# KiCad board F02-Func-Decoder-p.kicad_pcb (continued)
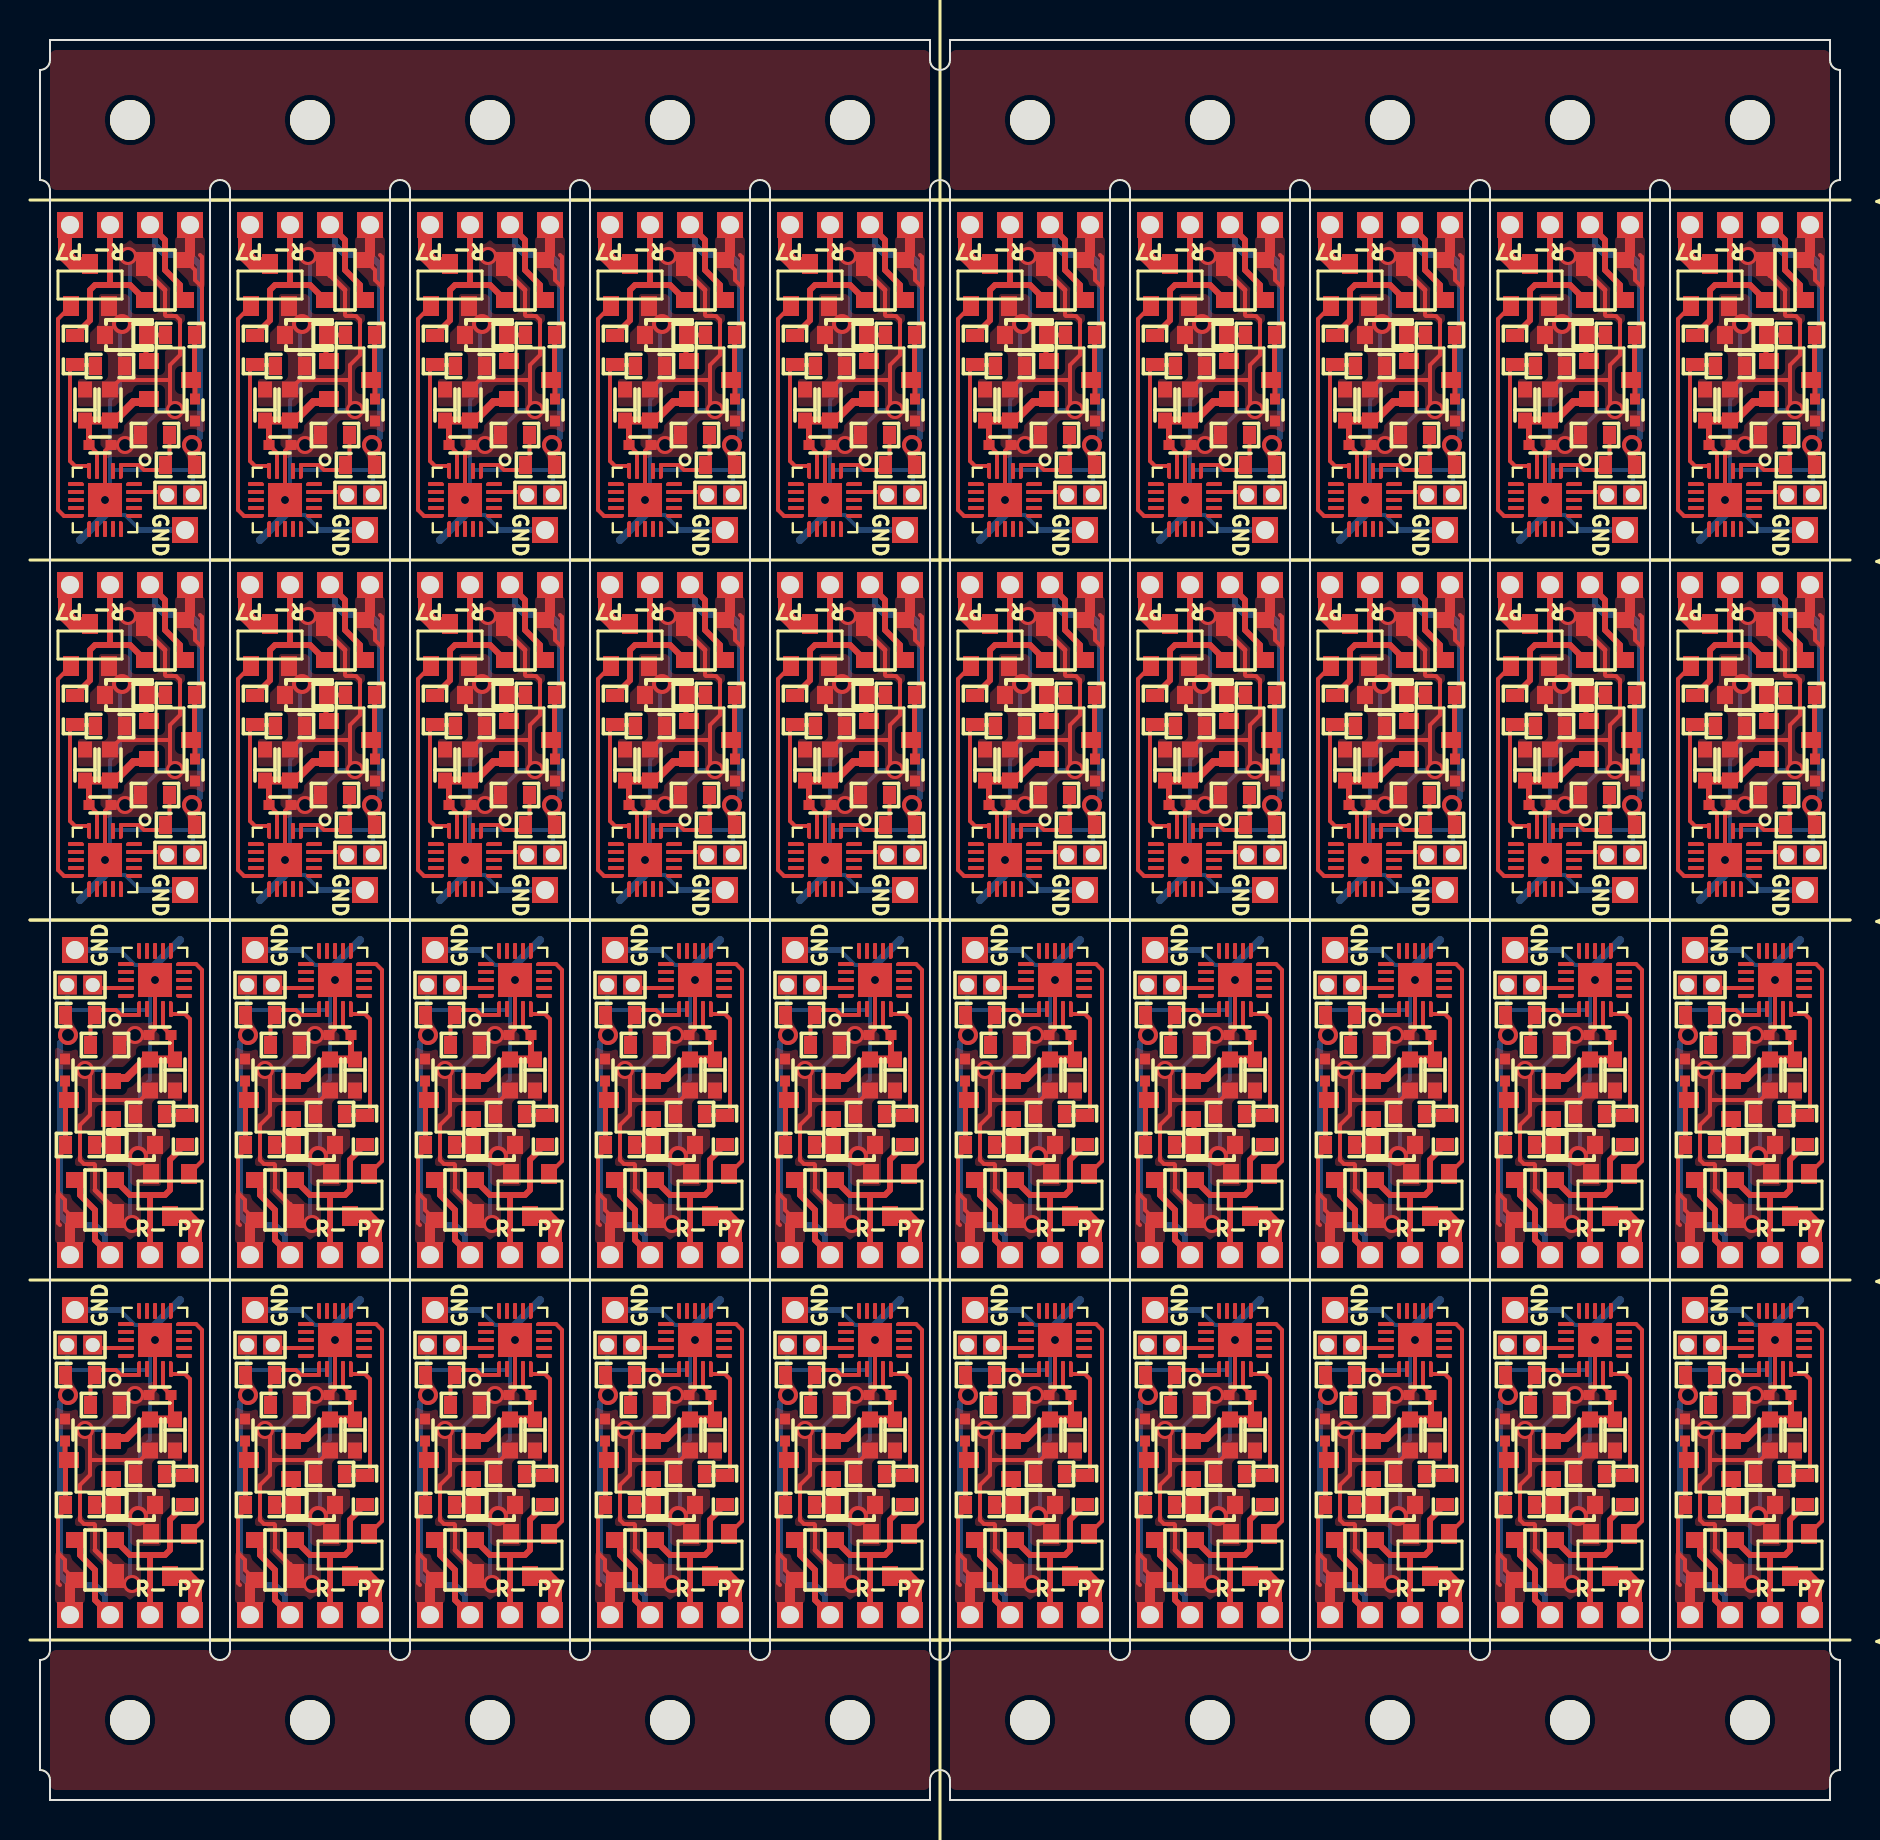
[diagram p0: board, top side]
## Routing (per net, layer and track width the routed paths; a pad name or vN(x,y) marks a point on that pad's centre or on a via; arc(x,y) is an arc through that point) (continued)
  Top w0.2: 74.75,12.5 74.75,13.75 74.7,13.8 74.2,13.8 74,14 74,15.75 74.5,16.25 74.5,17 ; v1(77.75,41) U1#17.3 77.75,38.55 C1#40.2 76.47,38.25 R3#8.2 ; C3#34.2 77.03,35 74.5,35 ; 60.5,53 60.5,51.75 v3(60.75,51.5) ; 60.5,53 60.5,53.75 61,54.25 61,56 60.8,56.2 60.3,56.2 60.25,56.25 60.25,57.5 ; 60.5,53 57.97,53 C3#4.2 ; 87.5,71 87.5,71.75 88,72.25 88,74 87.8,74.2 87.3,74.2 87.25,74.25 87.25,75.5 ; 87.5,71 87.5,69.75 v3(87.75,69.5) ; 87.5,71 84.97,71 C3#18.2 ; v3(33.75,51.5) 33.5,51.75 33.5,53 ; 20.75,30.5 20.75,31.75 20.7,31.8 20.2,31.8 20,32 20,33.75 20.5,34.25 20.5,35 ; C3#16.2 75.97,71 78.5,71 ; 78.5,53 75.97,53 C3#33.2 ; 78.5,53 78.5,53.75 79,54.25 79,56 78.8,56.2 78.3,56.2 78.25,56.25 78.25,57.5 ; 78.5,53 78.5,51.75 v3(78.75,51.5) ; C3#13.2 3.97,71 6.5,71 ; v3(38.25,18.5) 38.5,18.25 38.5,17 ; 24.25,75.5 24.25,74.25 24.3,74.2 24.8,74.2 25,74 25,72.25 24.5,71.75 24.5,71 ; 38.75,30.5 38.75,31.75 38.7,31.8 38.2,31.8 38,32 38,33.75 38.5,34.25 38.5,35 ; R3#4.2 22.47,38.25 C1#6.2 23.75,38.55 U1#22.3 v1(23.75,41) ; 69.25,57.5 69.25,56.25 69.3,56.2 69.8,56.2 70,56 70,54.25 69.5,53.75 69.5,53 ; 24.5,71 21.97,71 C3#22.2 ; 24.5,71 24.5,69.75 v3(24.75,69.5) ; R3.2 31.47,20.25 C1#7.2 32.75,20.55 U1#10.3 v1(32.75,23) ; 29.5,17 29.5,18.25 v3(29.25,18.5) ; 29.5,17 32.03,17 C3#5.2 ; 29.5,17 29.5,16.25 29,15.75 29,14 29.2,13.8 29.7,13.8 29.75,13.75 29.75,12.5 ; R3#40.2 31.47,38.25 C1#20.2 32.75,38.55 U1#37.3 v1(32.75,41) ; 87.5,53 87.5,51.75 v3(87.75,51.5) ; 87.5,53 84.97,53 C3#38.2 ; 87.5,53 87.5,53.75 88,54.25 88,56 87.8,56.2 87.3,56.2 87.25,56.25 87.25,57.5 ; v1(66.25,65) U1#19.3 66.25,67.45 C1#15.2 67.53,67.75 R3#6.2 ; 14.75,40.05 14.75,39.5 ; 38.75,12.5 38.75,13.75 38.7,13.8 38.2,13.8 38,14 38,15.75 38.5,16.25 38.5,17 ; 38.5,35 38.5,36.25 v3(38.25,36.5) ; 38.5,35 41.03,35 C3#27.2 ; 2.5,17 5.03,17 C3#11.2 ; 2.5,17 2.5,16.25 2,15.75 2,14 2.2,13.8 2.7,13.8 2.75,13.75 2.75,12.5 ; 2.5,17 2.5,18.25 v3(2.25,18.5) ; 60.5,71 57.97,71 C3#35.2 ; 60.5,71 60.5,69.75 v3(60.75,69.5) ; 60.5,71 60.5,71.75 61,72.25 61,74 60.8,74.2 60.3,74.2 60.25,74.25 60.25,75.5 ; C3#26.2 86.03,17 83.5,17 ; v3(74.25,36.5) 74.5,36.25 74.5,35 ; C3#9.2 39.97,53 42.5,53 ; 56.75,30.5 56.75,31.75 56.7,31.8 56.2,31.8 56,32 56,33.75 56.5,34.25 56.5,35 ; 11.75,12.5 11.75,13.75 11.7,13.8 11.2,13.8 11,14 11,15.75 11.5,16.25 11.5,17 ; C3#6.2 48.97,71 51.5,71 ; 47.5,35 47.5,36.25 v3(47.25,36.5) ; 47.5,35 50.03,35 C3#28.2 ; 47.5,35 47.5,34.25 47,33.75 47,32 47.2,31.8 47.7,31.8 47.75,31.75 47.75,30.5 ; v3(69.75,51.5) 69.5,51.75 69.5,53 ; R3#32.2 22.53,49.75 C1#29.2 21.25,49.45 U1#25.3 v1(21.25,47) ; 86.75,22.05 86.75,21.5 ; 42.5,53 42.5,51.75 v3(42.75,51.5) ; 42.5,53 42.5,53.75 43,54.25 43,56 42.8,56.2 42.3,56.2 42.25,56.25 42.25,57.5 ; R3#2.2 85.53,49.75 C1#16.2 84.25,49.45 U1#11.3 v1(84.25,47) ; R3#12.2 58.53,67.75 C1#22.2 57.25,67.45 U1#18.3 v1(57.25,65) ; v3(15.75,51.5) 15.5,51.75 15.5,53 ; 2.75,30.5 2.75,31.75 2.7,31.8 2.2,31.8 2,32 2,33.75 2.5,34.25 2.5,35 ; 2.5,35 2.5,36.25 v3(2.25,36.5) ; 2.5,35 5.03,35 C3#32.2 ; 24.5,53 21.97,53 C3#3.2 ; 24.5,53 24.5,51.75 v3(24.75,51.5) ; 24.5,53 24.5,53.75 25,54.25 25,56 24.8,56.2 24.3,56.2 24.25,56.25 24.25,57.5 ; R3#10.2 58.47,20.25 C1#4.2 59.75,20.55 U1#20.3 v1(59.75,23) ; v3(15.75,69.5) 15.5,69.75 15.5,71 ; 78.5,71 78.5,69.75 v3(78.75,69.5) ; 78.5,71 78.5,71.75 79,72.25 79,74 78.8,74.2 78.3,74.2 78.25,74.25 78.25,75.5 ; 75.25,65.95 75.25,66.5 ; 48.25,65.95 48.25,66.5 ; R3#29.2 67.47,38.25 C1#19.2 68.75,38.55 U1#23.3 v1(68.75,41) ; C3#23.2 12.97,53 15.5,53 ; v1(39.25,65) U1#16.3 39.25,67.45 C1#3.2 40.53,67.75 R3#33.2 ; C3#21.2 12.97,71 15.5,71 ; 56.75,12.5 56.75,13.75 56.7,13.8 56.2,13.8 56,14 56,15.75 56.5,16.25 56.5,17 ; 11.5,17 14.03,17 C3#30.2 ; 11.5,17 11.5,18.25 v3(11.25,18.5) ; 48.25,47.95 48.25,48.5 ; 65.5,35 68.03,35 C3#10.2 ; 65.5,35 65.5,34.25 65,33.75 65,32 65.2,31.8 65.7,31.8 65.75,31.75 65.75,30.5 ; 65.5,35 65.5,36.25 v3(65.25,36.5) ; 69.5,53 66.97,53 C3#24.2 ; v3(51.75,69.5) 51.5,69.75 51.5,71 ; v1(14.75,41) U1#4.3 14.75,38.55 C1#14.2 13.47,38.25 R3#25.2 ; R3#18.2 67.53,49.75 C1#39.2 66.25,49.45 U1#40.3 v1(66.25,47) ; 32.75,22.05 32.75,21.5 ; 39.25,65.95 39.25,66.5 ; 23.75,40.05 23.75,39.5 ; v1(30.25,65) U1#5.3 30.25,67.45 C1#2.2 31.53,67.75 R3#38.2 ; 39.25,47.95 39.25,48.5 ; C3#14.2 86.03,35 83.5,35 ; C3#2.2 66.97,71 69.5,71 ; R3#35.2 58.47,38.25 C1#25.2 59.75,38.55 U1#8.3 v1(59.75,41) ; v1(5.75,41) U1#24.3 5.75,38.55 C1#31.2 4.47,38.25 R3#31.2 ; 74.5,17 77.03,17 C3#8.2 ; 74.5,17 74.5,18.25 v3(74.25,18.5) ; 51.25,57.5 51.25,56.25 51.3,56.2 51.8,56.2 52,56 52,54.25 51.5,53.75 51.5,53 ; C3#20.2 59.03,17 56.5,17 ; 56.5,35 56.5,36.25 v3(56.25,36.5) ; 56.5,35 59.03,35 C3#40.2 ; R3#14.2 31.53,49.75 C1#28.2 30.25,49.45 U1#31.3 v1(30.25,47) ; 6.5,71 6.5,71.75 7,72.25 7,74 6.8,74.2 6.3,74.2 6.25,74.25 6.25,75.5 ; 6.5,71 6.5,69.75 v3(6.75,69.5) ; 11.75,30.5 11.75,31.75 11.7,31.8 11.2,31.8 11,32 11,33.75 11.5,34.25 11.5,35 ; v1(48.25,65) U1#28.3 48.25,67.45 C1#24.2 49.53,67.75 R3#28.2 ; R3#16.2 22.53,67.75 C1#26.2 21.25,67.45 U1#15.3 v1(21.25,65) ; R3#21.2 4.53,49.75 C1#33.2 3.25,49.45 U1#35.3 v1(3.25,47) ; 57.25,47.95 57.25,48.5 ; 29.75,30.5 29.75,31.75 29.7,31.8 29.2,31.8 29,32 29,33.75 29.5,34.25 29.5,35 ; R3#34.2 49.47,20.25 C1#23.2 50.75,20.55 U1#3.3 v1(50.75,23) ; R3#9.2 13.53,49.75 C1#21.2 12.25,49.45 U1#12.3 v1(12.25,47) ; 51.5,71 51.5,71.75 52,72.25 52,74 51.8,74.2 51.3,74.2 51.25,74.25 51.25,75.5 ; 42.5,71 39.97,71 C3#29.2 ; 42.5,71 42.5,69.75 v3(42.75,69.5) ; 42.5,71 42.5,71.75 43,72.25 43,74 42.8,74.2 42.3,74.2 42.25,74.25 42.25,75.5 ; v1(86.75,41) U1#39.3 86.75,38.55 C1#9.2 85.47,38.25 R3#26.2 ; C3#39.2 32.03,35 29.5,35 ; 29.5,35 29.5,36.25 v3(29.25,36.5) ; 65.5,17 68.03,17 C3#12.2 ; 65.5,17 65.5,16.25 65,15.75 65,14 65.2,13.8 65.7,13.8 65.75,13.75 65.75,12.5 ; 65.5,17 65.5,18.25 v3(65.25,18.5) ; v3(33.75,69.5) 33.5,69.75 33.5,71 ; 51.5,53 51.5,51.75 v3(51.75,51.5) ; 51.5,53 48.97,53 C3#15.2 ; C3#31.2 30.97,53 33.5,53 ; 33.5,53 33.5,53.75 34,54.25 34,56 33.8,56.2 33.3,56.2 33.25,56.25 33.25,57.5 ; R3#13.2 67.47,20.25 C1#34.2 68.75,20.55 U1#33.3 v1(68.75,23) ; 12.25,47.95 12.25,48.5 ; v1(57.25,47) U1#21.3 57.25,49.45 C1#36.2 58.53,49.75 R3#36.2 ; v1(84.25,65) U1#29.3 84.25,67.45 C1#32.2 85.53,67.75 R3#30.2 ; 83.5,17 83.5,18.25 v3(83.25,18.5) ; 83.5,17 83.5,16.25 83,15.75 83,14 83.2,13.8 83.7,13.8 83.75,13.75 83.75,12.5 ; 20.5,17 20.5,18.25 v3(20.25,18.5) ; 20.5,17 20.5,16.25 20,15.75 20,14 20.2,13.8 20.7,13.8 20.75,13.75 20.75,12.5 ; 20.5,17 23.03,17 C3.2 ; v1(39.25,47) U1#9.3 39.25,49.45 C1#13.2 40.53,49.75 R3#19.2 ; 59.75,40.05 59.75,39.5 ; 15.25,75.5 15.25,74.25 15.3,74.2 15.8,74.2 16,74 16,72.25 15.5,71.75 15.5,71 ; 77.75,22.05 77.75,21.5 ; R3#23.2 76.53,49.75 C1#35.2 75.25,49.45 U1.3 v1(75.25,47) ; 15.5,53 15.5,53.75 16,54.25 16,56 15.8,56.2 15.3,56.2 15.25,56.25 15.25,57.5 ; v1(23.75,23) U1#36.3 23.75,20.55 C1#30.2 22.47,20.25 R3#17.2 ; 69.5,71 69.5,71.75 70,72.25 70,74 69.8,74.2 69.3,74.2 69.25,74.25 69.25,75.5 ; 69.5,71 69.5,69.75 v3(69.75,69.5) ; R3#39.2 85.47,20.25 C1#38.2 86.75,20.55 U1#2.3 v1(86.75,23) ; 56.5,17 56.5,18.25 v3(56.25,18.5) ; 3.25,47.95 3.25,48.5 ; v1(75.25,65) U1#34.3 75.25,67.45 C1#18.2 76.53,67.75 R3#22.2 ; 59.75,22.05 59.75,21.5 ; R3#37.2 40.47,20.25 C1#12.2 41.75,20.55 U1#13.3 v1(41.75,23) ; 33.25,75.5 33.25,74.25 33.3,74.2 33.8,74.2 34,74 34,72.25 33.5,71.75 33.5,71 ; v1(50.75,41) U1#38.3 50.75,38.55 C1#8.2 49.47,38.25 R3#15.2 ; v1(77.75,23) U1#7.3 77.75,20.55 C1#5.2 76.47,20.25 R3#20.2 ; 47.5,17 50.03,17 C3#19.2 ; 47.5,17 47.5,18.25 v3(47.25,18.5) ; 47.5,17 47.5,16.25 47,15.75 47,14 47.2,13.8 47.7,13.8 47.75,13.75 47.75,12.5 ; C3#36.2 3.97,53 6.5,53 ; 30.25,65.95 30.25,66.5 ; 83.75,30.5 83.75,31.75 83.7,31.8 83.2,31.8 83,32 83,33.75 83.5,34.25 83.5,35 ; 11.5,35 11.5,36.25 v3(11.25,36.5) ; 11.5,35 14.03,35 C3#7.2 ; 12.25,65.95 12.25,66.5 ; 30.25,47.95 30.25,48.5 ; 74.75,30.5 74.75,31.75 74.7,31.8 74.2,31.8 74,32 74,33.75 74.5,34.25 74.5,35 ; 68.75,22.05 68.75,21.5 ; 57.25,65.95 57.25,66.5 ; 84.25,47.95 84.25,48.5 ; 32.75,40.05 32.75,39.5 ; 5.75,40.05 5.75,39.5 ; v1(41.75,41) U1#6.3 41.75,38.55 C1.2 40.47,38.25 R3#27.2 ; 14.75,22.05 14.75,21.5 ; C3#25.2 30.97,71 33.5,71 ; v1(48.25,47) U1#32.3 48.25,49.45 C1#10.2 49.53,49.75 R3#3.2 ; 6.25,57.5 6.25,56.25 6.3,56.2 6.8,56.2 7,56 7,54.25 6.5,53.75 6.5,53 ; 20.5,35 23.03,35 C3#17.2 ; 20.5,35 20.5,36.25 v3(20.25,36.5) ; 38.5,17 41.03,17 C3#37.2 ; 50.75,40.05 50.75,39.5 ; 83.5,35 83.5,36.25 v3(83.25,36.5) ; 21.25,47.95 21.25,48.5 ; 6.5,53 6.5,51.75 v3(6.75,51.5) ; 50.75,22.05 50.75,21.5 ; v1(14.75,23) U1#30.3 14.75,20.55 C1#27.2 13.47,20.25 R3#5.2 ; v1(5.75,23) U1#27.3 5.75,20.55 C1#17.2 4.47,20.25 R3#11.2 ; 41.75,40.05 41.75,39.5 ; 5.75,22.05 5.75,21.5 ; 23.75,22.05 23.75,21.5 ; 84.25,65.95 84.25,66.5 ; v1(12.25,65) U1#14.3 12.25,67.45 C1#37.2 13.53,67.75 R3#7.2 ; 77.75,40.05 77.75,39.5 ; 86.75,40.05 86.75,39.5 ; 66.25,47.95 66.25,48.5 ; 41.75,22.05 41.75,21.5 ; 75.25,47.95 75.25,48.5 ; 21.25,65.95 21.25,66.5 ; R3#24.2 4.53,67.75 C1#11.2 3.25,67.45 U1#26.3 v1(3.25,65) ; 68.75,40.05 68.75,39.5 ; 66.25,65.95 66.25,66.5 ; 3.25,65.95 3.25,66.5
  Top w0.25: 30.5,29.75 29.75,30.5 ; 14.5,58.25 15.25,57.5 ; 75.5,29.75 74.75,30.5 ; 50.5,58.25 51.25,57.5 ; 86.5,76.25 87.25,75.5 ; 41.5,76.25 42.25,75.5 ; 84.5,11.75 83.75,12.5 ; 32.5,58.25 33.25,57.5 ; 77.5,76.25 78.25,75.5 ; 3.5,11.75 2.75,12.5 ; 5.5,76.25 6.25,75.5 ; 50.5,76.25 51.25,75.5 ; 68.5,58.25 69.25,57.5 ; 86.5,58.25 87.25,57.5 ; 57.5,11.75 56.75,12.5 ; 12.5,29.75 11.75,30.5 ; 57.5,29.75 56.75,30.5 ; 39.5,29.75 38.75,30.5 ; 68.5,76.25 69.25,75.5 ; 12.5,11.75 11.75,12.5 ; 32.5,76.25 33.25,75.5 ; 75.5,11.75 74.75,12.5 ; 59.5,58.25 60.25,57.5 ; 5.5,58.25 6.25,57.5 ; 59.5,76.25 60.25,75.5 ; 39.5,11.75 38.75,12.5 ; 66.5,11.75 65.75,12.5 ; 84.5,29.75 83.75,30.5 ; 3.5,29.75 2.75,30.5 ; 23.5,76.25 24.25,75.5 ; 77.5,58.25 78.25,57.5 ; 41.5,58.25 42.25,57.5 ; 48.5,29.75 47.75,30.5 ; 21.5,29.75 20.75,30.5 ; 23.5,58.25 24.25,57.5 ; 21.5,11.75 20.75,12.5 ; 48.5,11.75 47.75,12.5 ; 30.5,11.75 29.75,12.5 ; 14.5,76.25 15.25,75.5 ; 66.5,29.75 65.75,30.5
  Top w0.3: 21.5,28.95 21.5,29.75 ; 5.5,59.05 5.5,58.25 ; 77.5,59.05 77.5,58.25 ; 66.5,10.95 66.5,11.75 ; 50.5,59.05 50.5,58.25 ; 30.5,10.95 30.5,11.75 ; 41.5,77.05 41.5,76.25 ; 30.5,28.95 30.5,29.75 ; 5.5,77.05 5.5,76.25 ; 39.5,28.95 39.5,29.75 ; 48.5,28.95 48.5,29.75 ; 32.5,59.05 32.5,58.25 ; 3.5,10.95 3.5,11.75 ; 59.5,77.05 59.5,76.25 ; 66.5,28.95 66.5,29.75 ; 23.5,77.05 23.5,76.25 ; 23.5,59.05 23.5,58.25 ; 12.5,28.95 12.5,29.75 ; 77.5,77.05 77.5,76.25 ; 32.5,77.05 32.5,76.25 ; 14.5,77.05 14.5,76.25 ; 59.5,59.05 59.5,58.25 ; 14.5,59.05 14.5,58.25 ; 57.5,28.95 57.5,29.75 ; 68.5,77.05 68.5,76.25 ; 12.5,10.95 12.5,11.75 ; 75.5,10.95 75.5,11.75 ; 57.5,10.95 57.5,11.75 ; 68.5,59.05 68.5,58.25 ; 48.5,10.95 48.5,11.75 ; 86.5,77.05 86.5,76.25 ; 39.5,10.95 39.5,11.75 ; 21.5,10.95 21.5,11.75 ; 84.5,28.95 84.5,29.75 ; 50.5,77.05 50.5,76.25 ; 75.5,28.95 75.5,29.75 ; 84.5,10.95 84.5,11.75 ; 3.5,28.95 3.5,29.75 ; 41.5,59.05 41.5,58.25 ; 86.5,59.05 86.5,58.25
  Bottom w0.2: P5#32.2 88.63,48.36 88.5,48.5 84.5,48.5 ; 67.5,59.2 67.5,56.2 v2(67.1,55.8) 67,55.7 67,52.5 66.5,52 66.5,49.75 ; 3.5,49.75 3.5,52 4,52.5 4,55.7 v2(4.1,55.8) 4.5,56.2 4.5,59.2 ; 3.5,49.75 v3(4.25,49.75) 6,51.5 v3(6.75,51.5) ; 3.5,49.75 3.5,46.75 ; 5.5,20.25 5.5,18 5,17.5 5,14.3 v2(4.9,14.2) 4.5,13.8 4.5,10.8 ; 5.5,20.25 v3(4.75,20.25) 3,18.5 v3(2.25,18.5) ; 5.5,20.25 5.5,23.25 ; P5#39.2 28.37,21.64 28.5,21.5 32.5,21.5 ; v3(87.75,51.5) 87,51.5 v3(85.25,49.75) 84.5,49.75 ; P5#35.2 70.63,66.36 70.5,66.5 66.5,66.5 ; 12.5,67.75 v3(13.25,67.75) 15,69.5 v3(15.75,69.5) ; 12.5,67.75 12.5,70 13,70.5 13,73.7 v2(13.1,73.8) 13.5,74.2 13.5,77.2 ; 12.5,67.75 12.5,64.75 ; 41.75,41.75 40.75,41.75 40,42.5 ; 39.25,64.25 40.25,64.25 41,63.5 ; 39.5,66.5 43.5,66.5 43.63,66.36 P5#25.2 ; 23.5,41.25 23.5,38.25 ; 23.5,38.25 v3(22.75,38.25) 21,36.5 v3(20.25,36.5) ; 23.5,38.25 23.5,36 23,35.5 23,32.3 v2(22.9,32.2) 22.5,31.8 22.5,28.8 ; P5#4.2 25.63,48.36 25.5,48.5 21.5,48.5 ; 48.5,49.75 v3(49.25,49.75) 51,51.5 v3(51.75,51.5) ; 48.5,49.75 48.5,52 49,52.5 49,55.7 v2(49.1,55.8) 49.5,56.2 49.5,59.2 ; 48.5,49.75 48.5,46.75 ; 50.75,41.75 49.75,41.75 49,42.5 ; 50.5,20.25 50.5,18 50,17.5 50,14.3 v2(49.9,14.2) 49.5,13.8 49.5,10.8 ; 50.5,20.25 v3(49.75,20.25) 48,18.5 v3(47.25,18.5) ; 50.5,20.25 50.5,23.25 ; 23.5,21.5 19.5,21.5 19.36,21.64 P5#17.2 ; v3(11.25,18.5) 12,18.5 v3(13.75,20.25) 14.5,20.25 ; 13.5,59.2 13.5,56.2 v2(13.1,55.8) 13,55.7 13,52.5 12.5,52 12.5,49.75 ; 84.5,67.75 v3(85.25,67.75) 87,69.5 v3(87.75,69.5) ; 84.5,67.75 84.5,70 85,70.5 85,73.7 v2(85.1,73.8) 85.5,74.2 85.5,77.2 ; 84.5,67.75 84.5,64.75 ; 12.5,46.75 12.5,49.75 ; 12.5,49.75 v3(13.25,49.75) 15,51.5 v3(15.75,51.5) ; v3(65.25,18.5) 66,18.5 v3(67.75,20.25) 68.5,20.25 ; 75.5,49.75 v3(76.25,49.75) 78,51.5 v3(78.75,51.5) ; 75.5,49.75 75.5,46.75 ; 75.5,49.75 75.5,52 76,52.5 76,55.7 v2(76.1,55.8) 76.5,56.2 76.5,59.2 ; 85,42.5 85.75,41.75 86.75,41.75 ; 67.5,10.8 67.5,13.8 v2(67.9,14.2) 68,14.3 68,17.5 68.5,18 68.5,20.25 ; 31.5,28.8 31.5,31.8 v2(31.9,32.2) 32,32.3 32,35.5 32.5,36 32.5,38.25 ; P5#28.2 61.63,66.36 61.5,66.5 57.5,66.5 ; 48.5,48.5 52.5,48.5 52.63,48.36 P5#18.2 ; P5#40.2 43.63,48.36 43.5,48.5 39.5,48.5 ; 59.5,20.25 59.5,18 59,17.5 59,14.3 v2(58.9,14.2) 58.5,13.8 58.5,10.8 ; 59.5,20.25 v3(58.75,20.25) 57,18.5 v3(56.25,18.5) ; 59.5,20.25 59.5,23.25 ; 77.5,23.25 77.5,20.25 ; 77.5,20.25 v3(76.75,20.25) 75,18.5 v3(74.25,18.5) ; 77.5,20.25 77.5,18 77,17.5 77,14.3 v2(76.9,14.2) 76.5,13.8 76.5,10.8 ; 30.5,67.75 30.5,70 31,70.5 31,73.7 v2(31.1,73.8) 31.5,74.2 31.5,77.2 ; 30.5,67.75 v3(31.25,67.75) 33,69.5 v3(33.75,69.5) ; 30.5,67.75 30.5,64.75 ; P5#37.2 1.36,21.64 1.5,21.5 5.5,21.5 ; 77.75,41.75 76.75,41.75 76,42.5 ; v3(47.25,36.5) 48,36.5 v3(49.75,38.25) 50.5,38.25 ; P5#2.2 46.37,39.64 46.5,39.5 50.5,39.5 ; 3.25,64.25 4.25,64.25 5,63.5 ; 23.5,20.25 23.5,18 23,17.5 23,14.3 v2(22.9,14.2) 22.5,13.8 22.5,10.8 ; 23.5,20.25 23.5,23.25 ; 23.5,20.25 v3(22.75,20.25) 21,18.5 v3(20.25,18.5) ; 57.5,67.75 57.5,70 58,70.5 58,73.7 v2(58.1,73.8) 58.5,74.2 58.5,77.2 ; 57.5,67.75 57.5,64.75 ; 57.5,67.75 v3(58.25,67.75) 60,69.5 v3(60.75,69.5) ; 59.75,23.75 58.75,23.75 58,24.5 ; 32,45.5 31.25,46.25 30.25,46.25 ; v3(11.25,36.5) 12,36.5 v3(13.75,38.25) 14.5,38.25 ; 22,24.5 22.75,23.75 23.75,23.75 ; 32.5,23.25 32.5,20.25 ; 32.5,20.25 v3(31.75,20.25) 30,18.5 v3(29.25,18.5) ; 32.5,20.25 32.5,18 32,17.5 32,14.3 v2(31.9,14.2) 31.5,13.8 31.5,10.8 ; 30.5,49.75 v3(31.25,49.75) 33,51.5 v3(33.75,51.5) ; 30.5,49.75 30.5,46.75 ; 30.5,49.75 30.5,52 31,52.5 31,55.7 v2(31.1,55.8) 31.5,56.2 31.5,59.2 ; 66.5,67.75 66.5,70 67,70.5 67,73.7 v2(67.1,73.8) 67.5,74.2 67.5,77.2 ; 66.5,67.75 66.5,64.75 ; 66.5,67.75 v3(67.25,67.75) 69,69.5 v3(69.75,69.5) ; 66.25,64.25 67.25,64.25 68,63.5 ; 50.5,38.25 50.5,36 50,35.5 50,32.3 v2(49.9,32.2) 49.5,31.8 49.5,28.8 ; 50.5,38.25 50.5,41.25 ; 40,24.5 40.75,23.75 41.75,23.75 ; 4,24.5 4.75,23.75 5.75,23.75 ; 77.5,41.25 77.5,38.25 ; 77.5,38.25 v3(76.75,38.25) 75,36.5 v3(74.25,36.5) ; 77.5,38.25 77.5,36 77,35.5 77,32.3 v2(76.9,32.2) 76.5,31.8 76.5,28.8 ; 14,45.5 13.25,46.25 12.25,46.25 ; 66.5,49.75 v3(67.25,49.75) 69,51.5 v3(69.75,51.5) ; 66.5,49.75 66.5,46.75 ; P5#15.2 52.63,66.36 52.5,66.5 48.5,66.5 ; 86.5,38.25 v3(85.75,38.25) 84,36.5 v3(83.25,36.5) ; 86.5,38.25 86.5,41.25 ; 86.5,38.25 86.5,36 86,35.5 86,32.3 v2(85.9,32.2) 85.5,31.8 85.5,28.8 ; 40.5,77.2 40.5,74.2 v2(40.1,73.8) 40,73.7 40,70.5 39.5,70 39.5,67.75 ; 32.5,38.25 v3(31.75,38.25) 30,36.5 v3(29.25,36.5) ; 32.5,38.25 32.5,41.25 ; 68,45.5 67.25,46.25 66.25,46.25 ; 48.25,64.25 49.25,64.25 50,63.5 ; 86.5,39.5 82.5,39.5 82.37,39.64 P5.2 ; 14.5,38.25 14.5,41.25 ; 14.5,38.25 14.5,36 14,35.5 14,32.3 v2(13.9,32.2) 13.5,31.8 13.5,28.8 ; 31,24.5 31.75,23.75 32.75,23.75 ; 59,45.5 58.25,46.25 57.25,46.25 ; 12.25,64.25 13.25,64.25 14,63.5 ; 58,42.5 58.75,41.75 59.75,41.75 ; 68.75,23.75 67.75,23.75 67,24.5 ; 57.5,49.75 57.5,52 58,52.5 58,55.7 v2(58.1,55.8) 58.5,56.2 58.5,59.2 ; 57.5,49.75 57.5,46.75 ; 57.5,49.75 v3(58.25,49.75) 60,51.5 v3(60.75,51.5) ; 14.75,41.75 13.75,41.75 13,42.5 ; 4,42.5 4.75,41.75 5.75,41.75 ; 3.5,67.75 3.5,70 4,70.5 4,73.7 v2(4.1,73.8) 4.5,74.2 4.5,77.2 ; 3.5,67.75 3.5,64.75 ; 3.5,67.75 v3(4.25,67.75) 6,69.5 v3(6.75,69.5) ; 23.5,39.5 19.5,39.5 19.36,39.64 P5#31.2 ; P5#6.2 73.37,21.64 73.5,21.5 77.5,21.5 ; P5#19.2 64.37,21.64 64.5,21.5 68.5,21.5 ; v3(24.75,51.5) 24,51.5 v3(22.25,49.75) 21.5,49.75 ; 50.5,21.5 46.5,21.5 46.37,21.64 P5#36.2 ; 41.5,38.25 v3(40.75,38.25) 39,36.5 v3(38.25,36.5) ; 41.5,38.25 41.5,41.25 ; 41.5,38.25 41.5,36 41,35.5 41,32.3 v2(40.9,32.2) 40.5,31.8 40.5,28.8 ; 39.5,64.75 39.5,67.75 ; 39.5,67.75 v3(40.25,67.75) 42,69.5 v3(42.75,69.5) ; v3(38.25,18.5) 39,18.5 v3(40.75,20.25) 41.5,20.25 ; 86.5,20.25 v3(85.75,20.25) 84,18.5 v3(83.25,18.5) ; 86.5,20.25 86.5,18 86,17.5 86,14.3 v2(85.9,14.2) 85.5,13.8 85.5,10.8 ; 86.5,20.25 86.5,23.25 ; v3(24.75,69.5) 24,69.5 v3(22.25,67.75) 21.5,67.75 ; 21.5,67.75 21.5,70 22,70.5 22,73.7 v2(22.1,73.8) 22.5,74.2 22.5,77.2 ; 21.5,67.75 21.5,64.75 ; P5#34.2 7.64,48.36 7.5,48.5 3.5,48.5 ; v3(51.75,69.5) 51,69.5 v3(49.25,67.75) 48.5,67.75 ; 48.5,67.75 48.5,70 49,70.5 49,73.7 v2(49.1,73.8) 49.5,74.2 49.5,77.2 ; 48.5,67.75 48.5,64.75 ; 68.5,39.5 64.5,39.5 64.37,39.64 P5#27.2 ; 75.25,46.25 76.25,46.25 77,45.5 ; 14.5,23.25 14.5,20.25 ; 14.5,20.25 14.5,18 14,17.5 14,14.3 v2(13.9,14.2) 13.5,13.8 13.5,10.8 ; P5#3.2 16.64,48.36 16.5,48.5 12.5,48.5 ; 31,42.5 31.75,41.75 32.75,41.75 ; P5#20.2 79.63,48.36 79.5,48.5 75.5,48.5 ; v3(2.25,36.5) 3,36.5 v3(4.75,38.25) 5.5,38.25 ; 59.5,38.25 59.5,36 59,35.5 59,32.3 v2(58.9,32.2) 58.5,31.8 58.5,28.8 ; 59.5,38.25 59.5,41.25 ; 59.5,38.25 v3(58.75,38.25) 57,36.5 v3(56.25,36.5) ; 39.5,49.75 39.5,52 40,52.5 40,55.7 v2(40.1,55.8) 40.5,56.2 40.5,59.2 ; 39.5,49.75 v3(40.25,49.75) 42,51.5 v3(42.75,51.5) ; 39.5,49.75 39.5,46.75 ; 57.25,64.25 58.25,64.25 59,63.5 ; 68.5,20.25 68.5,23.25 ; 41,45.5 40.25,46.25 39.25,46.25 ; 14.5,39.5 10.5,39.5 10.36,39.64 P5#11.2 ; P5#16.2 88.63,66.36 88.5,66.5 84.5,66.5 ; 48.25,46.25 49.25,46.25 50,45.5 ; v3(65.25,36.5) 66,36.5 v3(67.75,38.25) 68.5,38.25 ; 21.5,46.75 21.5,49.75 ; 21.5,49.75 21.5,52 22,52.5 22,55.7 v2(22.1,55.8) 22.5,56.2 22.5,59.2 ; 5.5,38.25 5.5,36 5,35.5 5,32.3 v2(4.9,32.2) 4.5,31.8 4.5,28.8 ; 5.5,38.25 5.5,41.25 ; P5#14.2 37.37,21.64 37.5,21.5 41.5,21.5 ; 14.75,23.75 13.75,23.75 13,24.5 ; 50.75,23.75 49.75,23.75 49,24.5 ; P5#26.2 34.63,48.36 34.5,48.5 30.5,48.5 ; 67,42.5 67.75,41.75 68.75,41.75 ; 86.75,23.75 85.75,23.75 85,24.5 ; 40.5,10.8 40.5,13.8 v2(40.9,14.2) 41,14.3 41,17.5 41.5,18 41.5,20.25 ; 68.5,38.25 68.5,41.25 ; 68.5,38.25 68.5,36 68,35.5 68,32.3 v2(67.9,32.2) 67.5,31.8 67.5,28.8 ; 77,63.5 76.25,64.25 75.25,64.25 ; 12.5,66.5 16.5,66.5 16.64,66.36 P5#13.2 ; 41.5,20.25 41.5,23.25 ; P5#5.2 1.36,39.64 1.5,39.5 5.5,39.5 ; P5#29.2 79.63,66.36 79.5,66.5 75.5,66.5 ; 84.5,46.75 84.5,49.75 ; 84.5,49.75 84.5,52 85,52.5 85,55.7 v2(85.1,55.8) 85.5,56.2 85.5,59.2 ; P5#23.2 82.37,21.64 82.5,21.5 86.5,21.5 ; 75.5,67.75 v3(76.25,67.75) 78,69.5 v3(78.75,69.5) ; 75.5,67.75 75.5,64.75 ; 75.5,67.75 75.5,70 76,70.5 76,73.7 v2(76.1,73.8) 76.5,74.2 76.5,77.2 ; 59.5,39.5 55.5,39.5 55.37,39.64 P5#7.2 ; P5#38.2 70.63,48.36 70.5,48.5 66.5,48.5 ; 32.5,39.5 28.5,39.5 28.37,39.64 P5#30.2 ; 21.25,64.25 22.25,64.25 23,63.5 ; 77.75,23.75 76.75,23.75 76,24.5 ; 21.25,46.25 22.25,46.25 23,45.5 ; 3.25,46.25 4.25,46.25 5,45.5 ; 32,63.5 31.25,64.25 30.25,64.25 ; 77.5,39.5 73.5,39.5 73.37,39.64 P5#33.2 ; 22,42.5 22.75,41.75 23.75,41.75 ; P5#8.2 34.63,66.36 34.5,66.5 30.5,66.5 ; P5#12.2 25.63,66.36 25.5,66.5 21.5,66.5 ; P5#21.2 7.64,66.36 7.5,66.5 3.5,66.5 ; 14.5,21.5 10.5,21.5 10.36,21.64 P5#9.2 ; 84.25,46.25 85.25,46.25 86,45.5 ; 57.5,48.5 61.5,48.5 61.63,48.36 P5#22.2 ; P5#24.2 55.37,21.64 55.5,21.5 59.5,21.5 ; 41.5,39.5 37.5,39.5 37.37,39.64 P5#10.2 ; 84.25,64.25 85.25,64.25 86,63.5